# Altium PCB amp.PcbDoc (part 3 of 20)
Units mm, origin at the board's own origin, x right, y up, seen from the top; angles counter-clockwise.
Board outline 210 x 210 mm, 2 copper layers (Top Layer, Bottom Layer); 742 components, 1354 nets, 6402 pads, 5154 vias.
Unrouted connection lines stored in the file: 702.
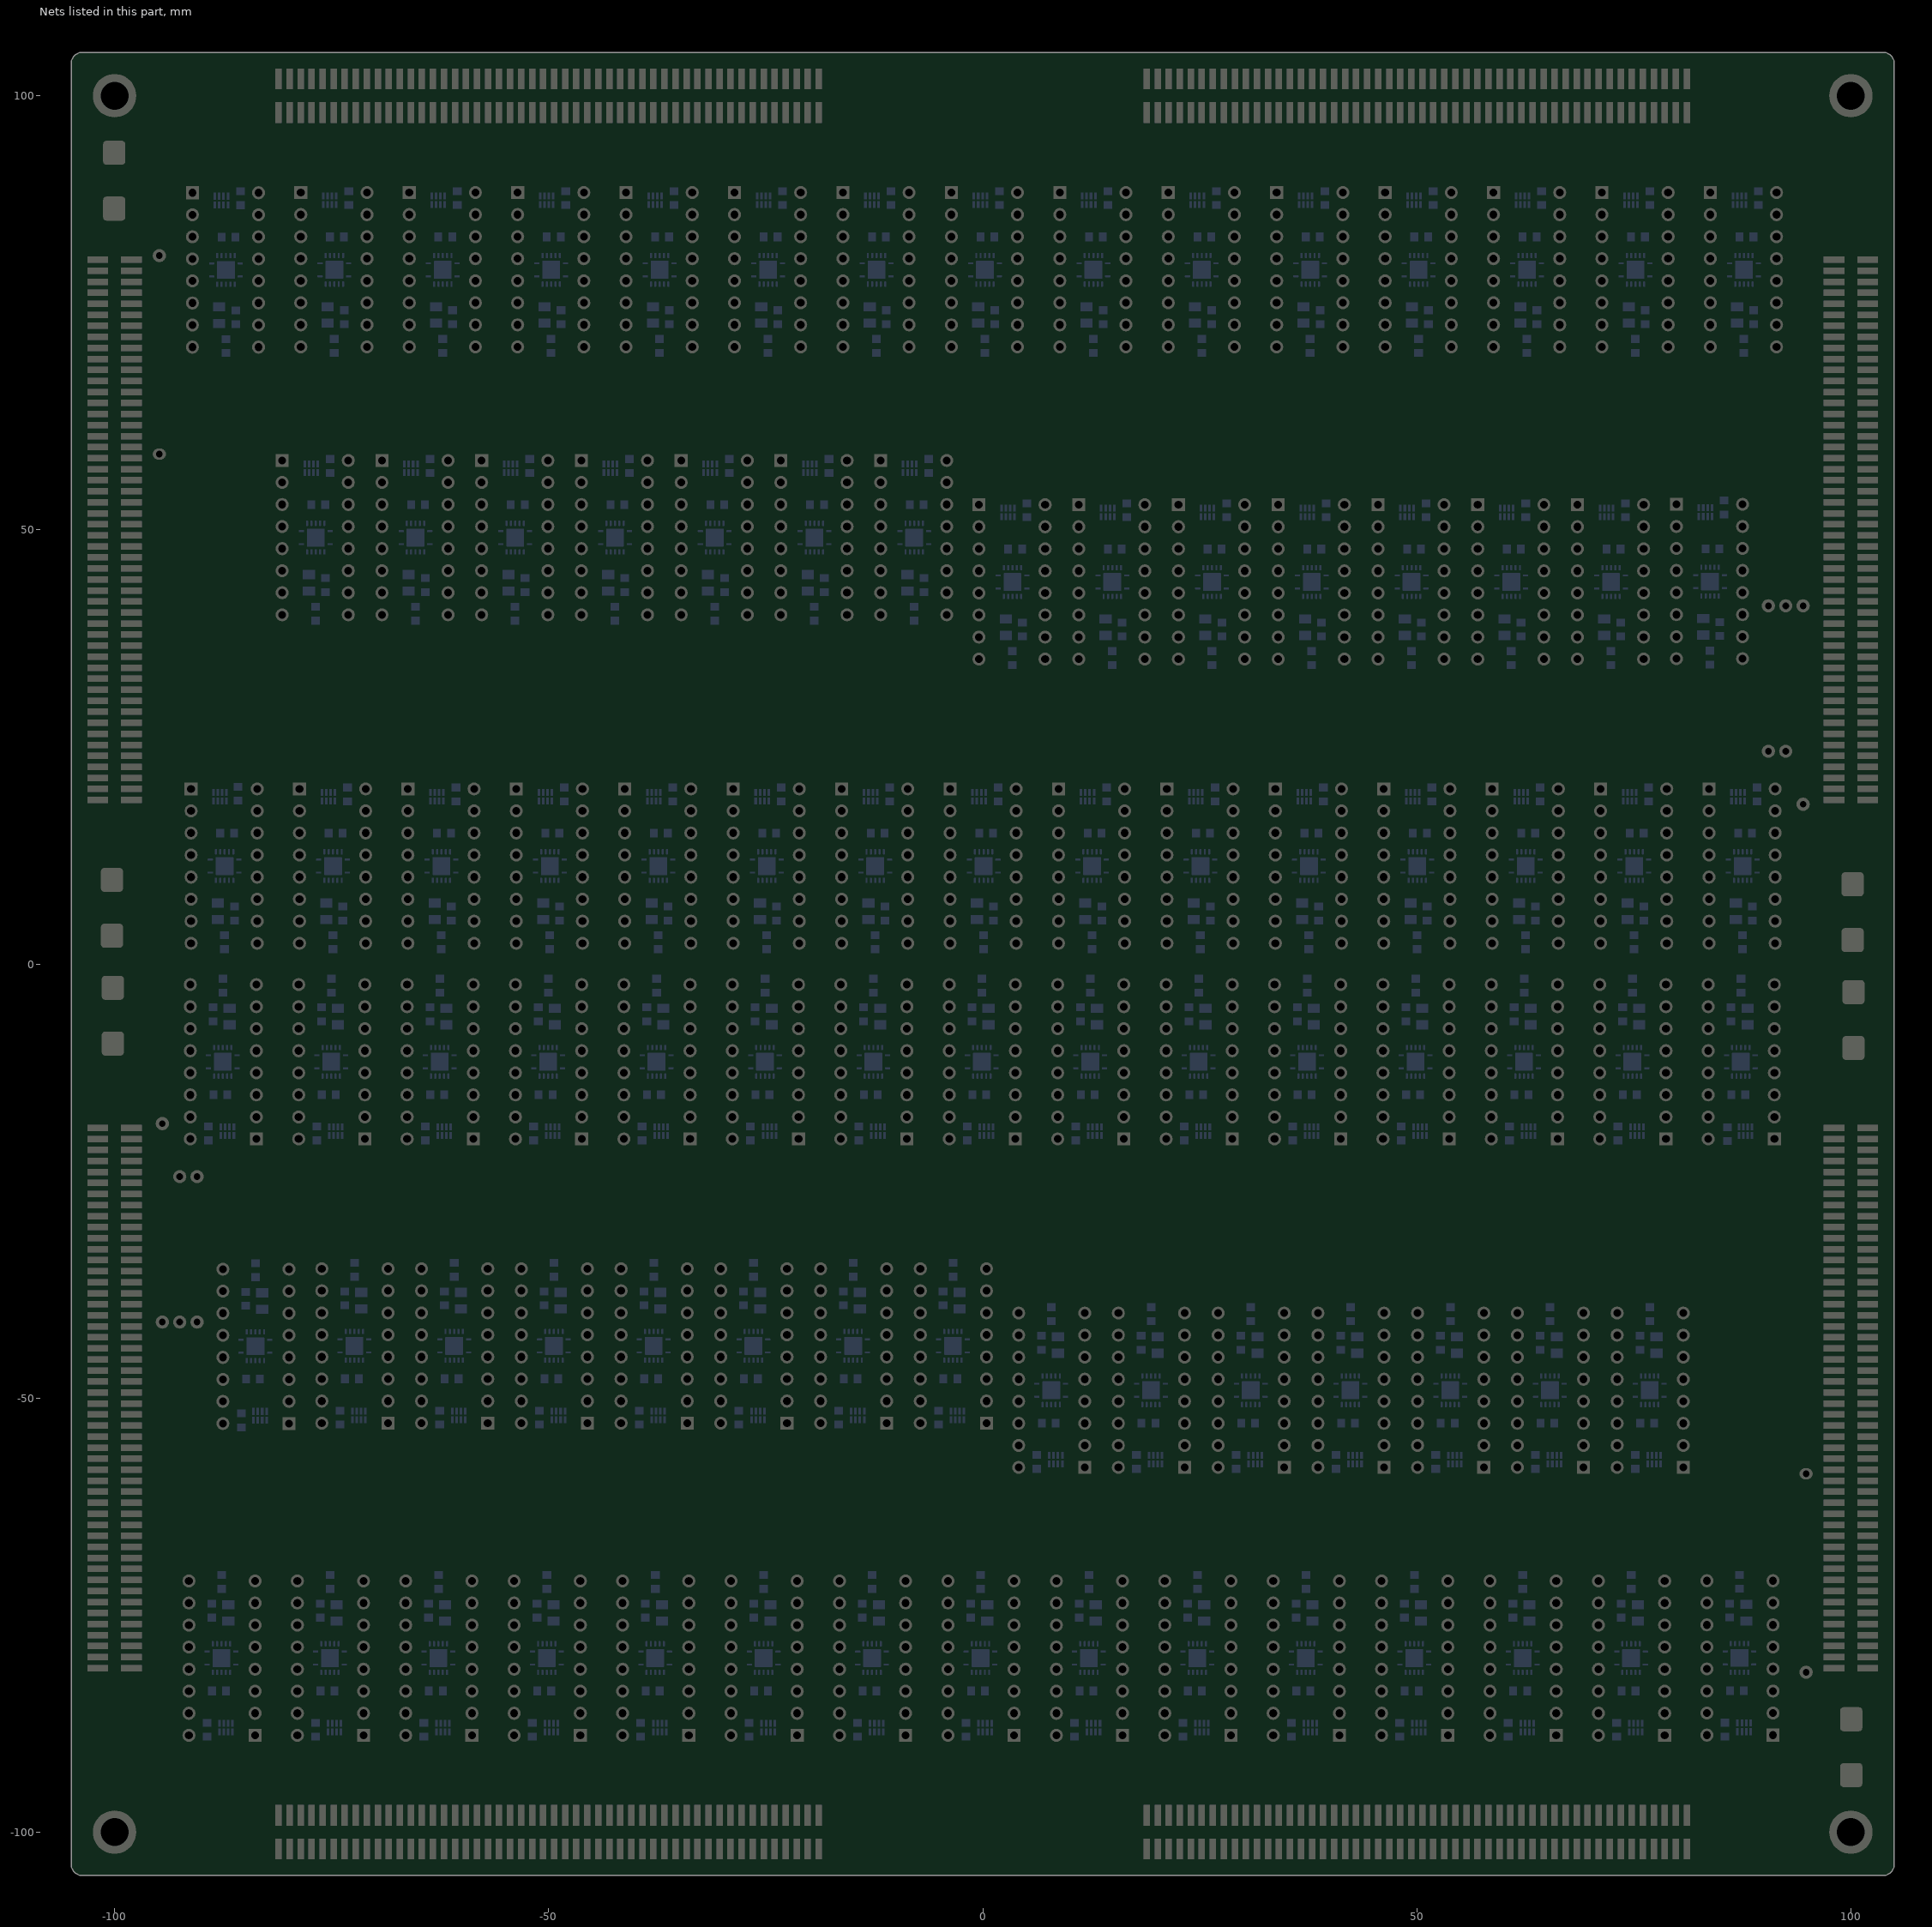
[diagram p3: the nets of this part, all layers, seen from the top]

## Part data
C1_U_amp1 C1_U_amp1_1 C1_U_amp2 C1_U_amp2_1 C1_U_amp3 C1_U_amp3_1 C1_U_amp4 C1_U_amp4_1 C1_U_amp5 C1_U_amp5_1 C1_U_amp6 C1_U_amp6_1 C1_U_amp7 C1_U_amp7_1 C1_U_amp8 C1_U_amp8_1 C1_U_amp9 C1_U_amp9_1 C1_U_amp10 C1_U_amp10_1 C1_U_amp11 C1_U_amp11_1 C1_U_amp12 C1_U_amp12_1 C1_U_amp13 C1_U_amp13_1 C1_U_amp14 C1_U_amp14_1 C1_U_amp15 C1_U_amp15_1 C1_U_amp16 C1_U_amp16_1 C1_U_amp17 C1_U_amp17_1 C1_U_amp18 C1_U_amp18_1 C1_U_amp19 C1_U_amp19_1 C1_U_amp20 C1_U_amp20_1 C1_U_amp21 C1_U_amp21_1 C1_U_amp22 C1_U_amp22_1 C1_U_amp23 C1_U_amp23_1 C1_U_amp24 C1_U_amp24_1 C1_U_amp25 C1_U_amp25_1 C1_U_amp26 C1_U_amp26_1 C1_U_amp27 C1_U_amp27_1 C1_U_amp28 C1_U_amp28_1 C1_U_amp29 C1_U_amp29_1 C1_U_amp30 C1_U_amp30_1 C1_U_amp31 C1_U_amp31_1 C1_U_amp32 C1_U_amp32_1 C1_U_amp33 C1_U_amp33_1 C1_U_amp34 C1_U_amp34_1 C1_U_amp35 C1_U_amp35_1 C1_U_amp36 C1_U_amp36_1 C1_U_amp37 C1_U_amp37_1 C1_U_amp38 C1_U_amp38_1 C1_U_amp39 C1_U_amp39_1 C1_U_amp40 C1_U_amp40_1 C1_U_amp41 C1_U_amp41_1 C1_U_amp42 C1_U_amp42_1 C1_U_amp43 C1_U_amp43_1 C1_U_amp44 C1_U_amp44_1 C1_U_amp45 C1_U_amp45_1 C2_U_amp1 C2_U_amp1_1 C2_U_amp2 C2_U_amp2_1 C2_U_amp3 C2_U_amp3_1 C2_U_amp4 C2_U_amp4_1 C2_U_amp5 C2_U_amp5_1 C2_U_amp6 C2_U_amp6_1 C2_U_amp7 C2_U_amp7_1 C2_U_amp8 C2_U_amp8_1 C2_U_amp9 C2_U_amp9_1 C2_U_amp10 C2_U_amp10_1 C2_U_amp11 C2_U_amp11_1 C2_U_amp12 C2_U_amp12_1 C2_U_amp13 C2_U_amp13_1 C2_U_amp14 C2_U_amp14_1 C2_U_amp15 C2_U_amp15_1 C2_U_amp16 C2_U_amp16_1 C2_U_amp17 C2_U_amp17_1 C2_U_amp18 C2_U_amp18_1 C2_U_amp19 C2_U_amp19_1 C2_U_amp20 C2_U_amp20_1 C2_U_amp21 C2_U_amp21_1 C2_U_amp22 C2_U_amp22_1 C2_U_amp23 C2_U_amp23_1 C2_U_amp24 C2_U_amp24_1 C2_U_amp25 C2_U_amp25_1 C2_U_amp26 C2_U_amp26_1 C2_U_amp27 C2_U_amp27_1 C2_U_amp28 C2_U_amp28_1 C2_U_amp29 C2_U_amp29_1 C2_U_amp30 C2_U_amp30_1 C2_U_amp31 C2_U_amp31_1 C2_U_amp32 C2_U_amp32_1 C2_U_amp33 C2_U_amp33_1 C2_U_amp34 C2_U_amp34_1 C2_U_amp35 C2_U_amp35_1 C2_U_amp36 C2_U_amp36_1 C2_U_amp37 C2_U_amp37_1 C2_U_amp38 C2_U_amp38_1 C2_U_amp39 C2_U_amp39_1 C2_U_amp40 C2_U_amp40_1 C2_U_amp41 C2_U_amp41_1 C2_U_amp42 C2_U_amp42_1 C2_U_amp43 C2_U_amp43_1 C2_U_amp44 C2_U_amp44_1 C2_U_amp45 C2_U_amp45_1 C3_U_amp1 C3_U_amp1_1 C3_U_amp2 C3_U_amp2_1 C3_U_amp3 C3_U_amp3_1 C3_U_amp4 C3_U_amp4_1 C3_U_amp5 C3_U_amp5_1 C3_U_amp6 C3_U_amp6_1 C3_U_amp7 C3_U_amp7_1 C3_U_amp8 C3_U_amp8_1 C3_U_amp9 C3_U_amp9_1 C3_U_amp10 C3_U_amp10_1 C3_U_amp11 C3_U_amp11_1 C3_U_amp12 C3_U_amp12_1 C3_U_amp13 C3_U_amp13_1 C3_U_amp14 C3_U_amp14_1 C3_U_amp15 C3_U_amp15_1 C3_U_amp16 C3_U_amp16_1 C3_U_amp17 C3_U_amp17_1 C3_U_amp18 C3_U_amp18_1 C3_U_amp19 C3_U_amp19_1 C3_U_amp20 C3_U_amp20_1 C3_U_amp21 C3_U_amp21_1 C3_U_amp22 C3_U_amp22_1 C3_U_amp23 C3_U_amp23_1 C3_U_amp24 C3_U_amp24_1 C3_U_amp25 C3_U_amp25_1 C3_U_amp26 C3_U_amp26_1 C3_U_amp27 C3_U_amp27_1 C3_U_amp28 C3_U_amp28_1 C3_U_amp29 C3_U_amp29_1 C3_U_amp30 C3_U_amp30_1 C3_U_amp31 C3_U_amp31_1 C3_U_amp32 C3_U_amp32_1 C3_U_amp33 C3_U_amp33_1 C3_U_amp34 C3_U_amp34_1 C3_U_amp35 C3_U_amp35_1 C3_U_amp36 C3_U_amp36_1 C3_U_amp37 C3_U_amp37_1 C3_U_amp38 C3_U_amp38_1 C3_U_amp39 C3_U_amp39_1 C3_U_amp40 C3_U_amp40_1 C3_U_amp41 C3_U_amp41_1 C3_U_amp42 C3_U_amp42_1 C3_U_amp43 C3_U_amp43_1 C3_U_amp44 C3_U_amp44_1 C3_U_amp45 C3_U_amp45_1: library part C-0603-100n-50V, "Capacitor 100n 50V", Supplier Part Number 1=80-C0603C104K5RAUTO, Supplier 1=Mouser
C4_U_amp1 C4_U_amp1_1 C4_U_amp2 C4_U_amp2_1 C4_U_amp3 C4_U_amp3_1 C4_U_amp4 C4_U_amp4_1 C4_U_amp5 C4_U_amp5_1 C4_U_amp6 C4_U_amp6_1 C4_U_amp7 C4_U_amp7_1 C4_U_amp8 C4_U_amp8_1 C4_U_amp9 C4_U_amp9_1 C4_U_amp10 C4_U_amp10_1 C4_U_amp11 C4_U_amp11_1 C4_U_amp12 C4_U_amp12_1 C4_U_amp13 C4_U_amp13_1 C4_U_amp14 C4_U_amp14_1 C4_U_amp15 C4_U_amp15_1 C4_U_amp16 C4_U_amp16_1 C4_U_amp17 C4_U_amp17_1 C4_U_amp18 C4_U_amp18_1 C4_U_amp19 C4_U_amp19_1 C4_U_amp20 C4_U_amp20_1 C4_U_amp21 C4_U_amp21_1 C4_U_amp22 C4_U_amp22_1 C4_U_amp23 C4_U_amp23_1 C4_U_amp24 C4_U_amp24_1 C4_U_amp25 C4_U_amp25_1 C4_U_amp26 C4_U_amp26_1 C4_U_amp27 C4_U_amp27_1 C4_U_amp28 C4_U_amp28_1 C4_U_amp29 C4_U_amp29_1 C4_U_amp30 C4_U_amp30_1 C4_U_amp31 C4_U_amp31_1 C4_U_amp32 C4_U_amp32_1 C4_U_amp33 C4_U_amp33_1 C4_U_amp34 C4_U_amp34_1 C4_U_amp35 C4_U_amp35_1 C4_U_amp36 C4_U_amp36_1 C4_U_amp37 C4_U_amp37_1 C4_U_amp38 C4_U_amp38_1 C4_U_amp39 C4_U_amp39_1 C4_U_amp40 C4_U_amp40_1 C4_U_amp41 C4_U_amp41_1 C4_U_amp42 C4_U_amp42_1 C4_U_amp43 C4_U_amp43_1 C4_U_amp44 C4_U_amp44_1 C4_U_amp45 C4_U_amp45_1: library part C-0805-10u-25V, "3", Supplier Part Number 1=80-C0805C106K3P, Supplier 1=Mouser
Designator1 Designator1_1 Designator1_2 Designator1_3 Designator1_4 Designator1_5: library part C-TANT-22u-25V
J5 J5_1 J5_1_1 J5_2 J5_2_1 J5_3 J6 J6_1 J6_1_1 J6_2 J6_2_1 J6_3 J7 J7_1 J8 J8_1: library part PIN_HEADER_1.27_2x50
R1_U_amp1 R1_U_amp1_1 R1_U_amp2 R1_U_amp2_1 R1_U_amp3 R1_U_amp3_1 R1_U_amp4 R1_U_amp4_1 R1_U_amp5 R1_U_amp5_1 R1_U_amp6 R1_U_amp6_1 R1_U_amp7 R1_U_amp7_1 R1_U_amp8 R1_U_amp8_1 R1_U_amp9 R1_U_amp9_1 R1_U_amp10 R1_U_amp10_1 R1_U_amp11 R1_U_amp11_1 R1_U_amp12 R1_U_amp12_1 R1_U_amp13 R1_U_amp13_1 R1_U_amp14 R1_U_amp14_1 R1_U_amp15 R1_U_amp15_1 R1_U_amp16 R1_U_amp16_1 R1_U_amp17 R1_U_amp17_1 R1_U_amp18 R1_U_amp18_1 R1_U_amp19 R1_U_amp19_1 R1_U_amp20 R1_U_amp20_1 R1_U_amp21 R1_U_amp21_1 R1_U_amp22 R1_U_amp22_1 R1_U_amp23 R1_U_amp23_1 R1_U_amp24 R1_U_amp24_1 R1_U_amp25 R1_U_amp25_1 R1_U_amp26 R1_U_amp26_1 R1_U_amp27 R1_U_amp27_1 R1_U_amp28 R1_U_amp28_1 R1_U_amp29 R1_U_amp29_1 R1_U_amp30 R1_U_amp30_1 R1_U_amp31 R1_U_amp31_1 R1_U_amp32 R1_U_amp32_1 R1_U_amp33 R1_U_amp33_1 R1_U_amp34 R1_U_amp34_1 R1_U_amp35 R1_U_amp35_1 R1_U_amp36 R1_U_amp36_1 R1_U_amp37 R1_U_amp37_1 R1_U_amp38 R1_U_amp38_1 R1_U_amp39 R1_U_amp39_1 R1_U_amp40 R1_U_amp40_1 R1_U_amp41 R1_U_amp41_1 R1_U_amp42 R1_U_amp42_1 R1_U_amp43 R1_U_amp43_1 R1_U_amp44 R1_U_amp44_1 R1_U_amp45 R1_U_amp45_1: library part R-4x20k, "Resistor Array 4x20k", Supplier Part Number 1=667-EXB-N8V203JX, Supplier 1=Mouser
R2_U_amp1 R2_U_amp1_1 R2_U_amp2 R2_U_amp2_1 R2_U_amp3 R2_U_amp3_1 R2_U_amp4 R2_U_amp4_1 R2_U_amp5 R2_U_amp5_1 R2_U_amp6 R2_U_amp6_1 R2_U_amp7 R2_U_amp7_1 R2_U_amp8 R2_U_amp8_1 R2_U_amp9 R2_U_amp9_1 R2_U_amp10 R2_U_amp10_1 R2_U_amp11 R2_U_amp11_1 R2_U_amp12 R2_U_amp12_1 R2_U_amp13 R2_U_amp13_1 R2_U_amp14 R2_U_amp14_1 R2_U_amp15 R2_U_amp15_1 R2_U_amp16 R2_U_amp16_1 R2_U_amp17 R2_U_amp17_1 R2_U_amp18 R2_U_amp18_1 R2_U_amp19 R2_U_amp19_1 R2_U_amp20 R2_U_amp20_1 R2_U_amp21 R2_U_amp21_1 R2_U_amp22 R2_U_amp22_1 R2_U_amp23 R2_U_amp23_1 R2_U_amp24 R2_U_amp24_1 R2_U_amp25 R2_U_amp25_1 R2_U_amp26 R2_U_amp26_1 R2_U_amp27 R2_U_amp27_1 R2_U_amp28 R2_U_amp28_1 R2_U_amp29 R2_U_amp29_1 R2_U_amp30 R2_U_amp30_1 R2_U_amp31 R2_U_amp31_1 R2_U_amp32 R2_U_amp32_1 R2_U_amp33 R2_U_amp33_1 R2_U_amp34 R2_U_amp34_1 R2_U_amp35 R2_U_amp35_1 R2_U_amp36 R2_U_amp36_1 R2_U_amp37 R2_U_amp37_1 R2_U_amp38 R2_U_amp38_1 R2_U_amp39 R2_U_amp39_1 R2_U_amp40 R2_U_amp40_1 R2_U_amp41 R2_U_amp41_1 R2_U_amp42 R2_U_amp42_1 R2_U_amp43 R2_U_amp43_1 R2_U_amp44 R2_U_amp44_1 R2_U_amp45 R2_U_amp45_1: library part R-0603-0, "Resistor 0", Supplier Part Number 1=71-CRCW0603-0-E3, Resistance=0, Supplier 1=Mouser
U1_U_amp1 U1_U_amp1_1 U1_U_amp2 U1_U_amp2_1 U1_U_amp3 U1_U_amp3_1 U1_U_amp4 U1_U_amp4_1 U1_U_amp5 U1_U_amp5_1 U1_U_amp6 U1_U_amp6_1 U1_U_amp7 U1_U_amp7_1 U1_U_amp8 U1_U_amp8_1 U1_U_amp9 U1_U_amp9_1 U1_U_amp10 U1_U_amp10_1 U1_U_amp11 U1_U_amp11_1 U1_U_amp12 U1_U_amp12_1 U1_U_amp13 U1_U_amp13_1 U1_U_amp14 U1_U_amp14_1 U1_U_amp15 U1_U_amp15_1 U1_U_amp16 U1_U_amp16_1 U1_U_amp17 U1_U_amp17_1 U1_U_amp18 U1_U_amp18_1 U1_U_amp19 U1_U_amp19_1 U1_U_amp20 U1_U_amp20_1 U1_U_amp21 U1_U_amp21_1 U1_U_amp22 U1_U_amp22_1 U1_U_amp23 U1_U_amp23_1 U1_U_amp24 U1_U_amp24_1 U1_U_amp25 U1_U_amp25_1 U1_U_amp26 U1_U_amp26_1 U1_U_amp27 U1_U_amp27_1 U1_U_amp28 U1_U_amp28_1 U1_U_amp29 U1_U_amp29_1 U1_U_amp30 U1_U_amp30_1 U1_U_amp31 U1_U_amp31_1 U1_U_amp32 U1_U_amp32_1 U1_U_amp33 U1_U_amp33_1 U1_U_amp34 U1_U_amp34_1 U1_U_amp35 U1_U_amp35_1 U1_U_amp36 U1_U_amp36_1 U1_U_amp37 U1_U_amp37_1 U1_U_amp38 U1_U_amp38_1 U1_U_amp39 U1_U_amp39_1 U1_U_amp40 U1_U_amp40_1 U1_U_amp41 U1_U_amp41_1 U1_U_amp42 U1_U_amp42_1 U1_U_amp43 U1_U_amp43_1 U1_U_amp44 U1_U_amp44_1 U1_U_amp45 U1_U_amp45_1: library part CMP-1615-01171-4, "Hex Schmitt-Trigger Inverters, RGY0014A, LARGE T&R", F @ Nom Voltage(Max)(Mhz)=110, Generic Part Number=SN74LV14A, ICC @ Nom Voltage(Max)(mA)=0.02, Manufacturer="Texas Instruments", Operating Temperature Range(C)="-40 to 125,-40 to 85", Rating=Catalog, tpd @ Nom Voltage(Max)(ns)=27,18.5,12, Voltage(Nom)(V)=2.5,3.3,5, Bits(#)=6, Code_JEDEC=MO-241, DatasheetVersion=SCLS386K, Input Type=LVTTL, Output Drive (IOL/IOH)(Max)(mA)=-50/50, Output Type=CMOS, PackageReference=RGY0014A, PartId=1, Schmitt Trigger=Yes, Technology Family=LV-A, VCC(Max)(V)=5.5, VCC(Min)(V)=2
U2_U_amp1 U2_U_amp1_1 U2_U_amp2 U2_U_amp2_1 U2_U_amp3 U2_U_amp3_1 U2_U_amp4 U2_U_amp4_1 U2_U_amp5 U2_U_amp5_1 U2_U_amp6 U2_U_amp6_1 U2_U_amp7 U2_U_amp7_1 U2_U_amp8 U2_U_amp8_1 U2_U_amp9 U2_U_amp9_1 U2_U_amp10 U2_U_amp10_1 U2_U_amp11 U2_U_amp11_1 U2_U_amp12 U2_U_amp12_1 U2_U_amp13 U2_U_amp13_1 U2_U_amp14 U2_U_amp14_1 U2_U_amp15 U2_U_amp15_1 U2_U_amp16 U2_U_amp16_1 U2_U_amp17 U2_U_amp17_1 U2_U_amp18 U2_U_amp18_1 U2_U_amp19 U2_U_amp19_1 U2_U_amp20 U2_U_amp20_1 U2_U_amp21 U2_U_amp21_1 U2_U_amp22 U2_U_amp22_1 U2_U_amp23 U2_U_amp23_1 U2_U_amp24 U2_U_amp24_1 U2_U_amp25 U2_U_amp25_1 U2_U_amp26 U2_U_amp26_1 U2_U_amp27 U2_U_amp27_1 U2_U_amp28 U2_U_amp28_1 U2_U_amp29 U2_U_amp29_1 U2_U_amp30 U2_U_amp30_1 U2_U_amp31 U2_U_amp31_1 U2_U_amp32 U2_U_amp32_1 U2_U_amp33 U2_U_amp33_1 U2_U_amp34 U2_U_amp34_1 U2_U_amp35 U2_U_amp35_1 U2_U_amp36 U2_U_amp36_1 U2_U_amp37 U2_U_amp37_1 U2_U_amp38 U2_U_amp38_1 U2_U_amp39 U2_U_amp39_1 U2_U_amp40 U2_U_amp40_1 U2_U_amp41 U2_U_amp41_1 U2_U_amp42 U2_U_amp42_1 U2_U_amp43 U2_U_amp43_1 U2_U_amp44 U2_U_amp44_1 U2_U_amp45 U2_U_amp45_1: library part CMP-1685-00015-1, "Quadruple Half-H Driver, 1.2 A Peak, 4.5 to 36 V, 0 to 70 degC, 16-Pin DIP (NE), Pb-Free (RoHS), Tube", Capacitance="22 uF", Case/Package=2917, Case Code (Metric)=7343, Max Operating Temperature=125degC, Min Operating Temperature=-55degC, Package Quantity=500, Resistance="0.8 Ohm", Tolerance=10%, Voltage Rating="20 V", Case Code (Imperial)=2917, Code_JEDEC=MS-001, ComponentLink1Description="Manufacturer URL", ComponentLink1URL=http://www.ti.com/, ComponentLink2Description=Datasheet, ComponentLink2URL=http://www.ti.com/general/docs/lit/getliterature.tsp?genericPartNumber=l293d&fileType=pdf, ComponentLink3Description="Package Specification", ComponentLink3URL=http://www.ti.com/lit/ml/mpdi003/mpdi003.pdf, DatasheetVersion="SLRS008D, 01/2016", ESR="800 mohm", Height="3.1 mm", Length="7.3 mm", Mount="Surface Mount", PackageDescription="16-Pin Through Hole Device, Body 19.8 x 6.35 mm, Pitch 2.54 mm, Row Spacing 7.62 mm", PackageReference=NE0016A, PackageVersion="4040054/B, 04/1995", Packaging="Tape and Reel", PartId=1, Pins=2, Radiation Hardening=No, REACH SVHC="No SVHC", RoHSCompliant=True, Voltage Rating (DC)="20 V", Weight="0.023634 oz", Width="4.3 mm"

## Free pads (board coordinates)
  round 1.524 hole 0.762: 2(-94.5,-41.25) 2(-94.5,-18.39) 2(-92.5,-41.25) 2(-90.5,-41.25) 2(90.5,41.25) 2(92.5,41.25) 2(94.5,18.39) 2(94.5,41.25) 3(-94.844,81.585) 3(-92.5,-24.5) 3(-90.5,-24.5) 3(90.5,24.5) 3(92.5,24.5) 3(94.844,-81.585)
  oval 1.524x1.3 hole 0.762: 3(-94.844,58.725) 3(94.844,-58.725)
  round 5 hole 3.2: 4(-100,-100) 4(-100,100) 4(100,-100) 4(100,100)

## Via types
v1: diameter 0.6, hole 0.3, Top Layer to Bottom Layer, tented both sides, 4704 vias
v2: diameter 0.5, hole 0.3, Top Layer to Bottom Layer, 450 vias

## Nets (pads, with @x,y where several pads share a name; then routed paths per layer and width w, separated by ;. In a path a pad name is that pad's centre, name@x,y a point inside that pad or via, vN(x,y) a via of type N, cw(c..) or ccw(c..) an arc to the next point about the centre after c; other vN are vias at no path point)
3V3: 